# Altium PCB SAMC21_Xplained_Pro.PcbDoc (part 2 of 4)
Units mm, origin at the board's own origin, x right, y up, seen from the top; angles counter-clockwise.
Board outline 60 x 100 mm, 4 copper layers (Top Layer LF-signals, GND, POWER, Bottom Layer LF-signals), stack 1.604 mm thick; 218 components, 156 nets, 975 pads, 347 vias.
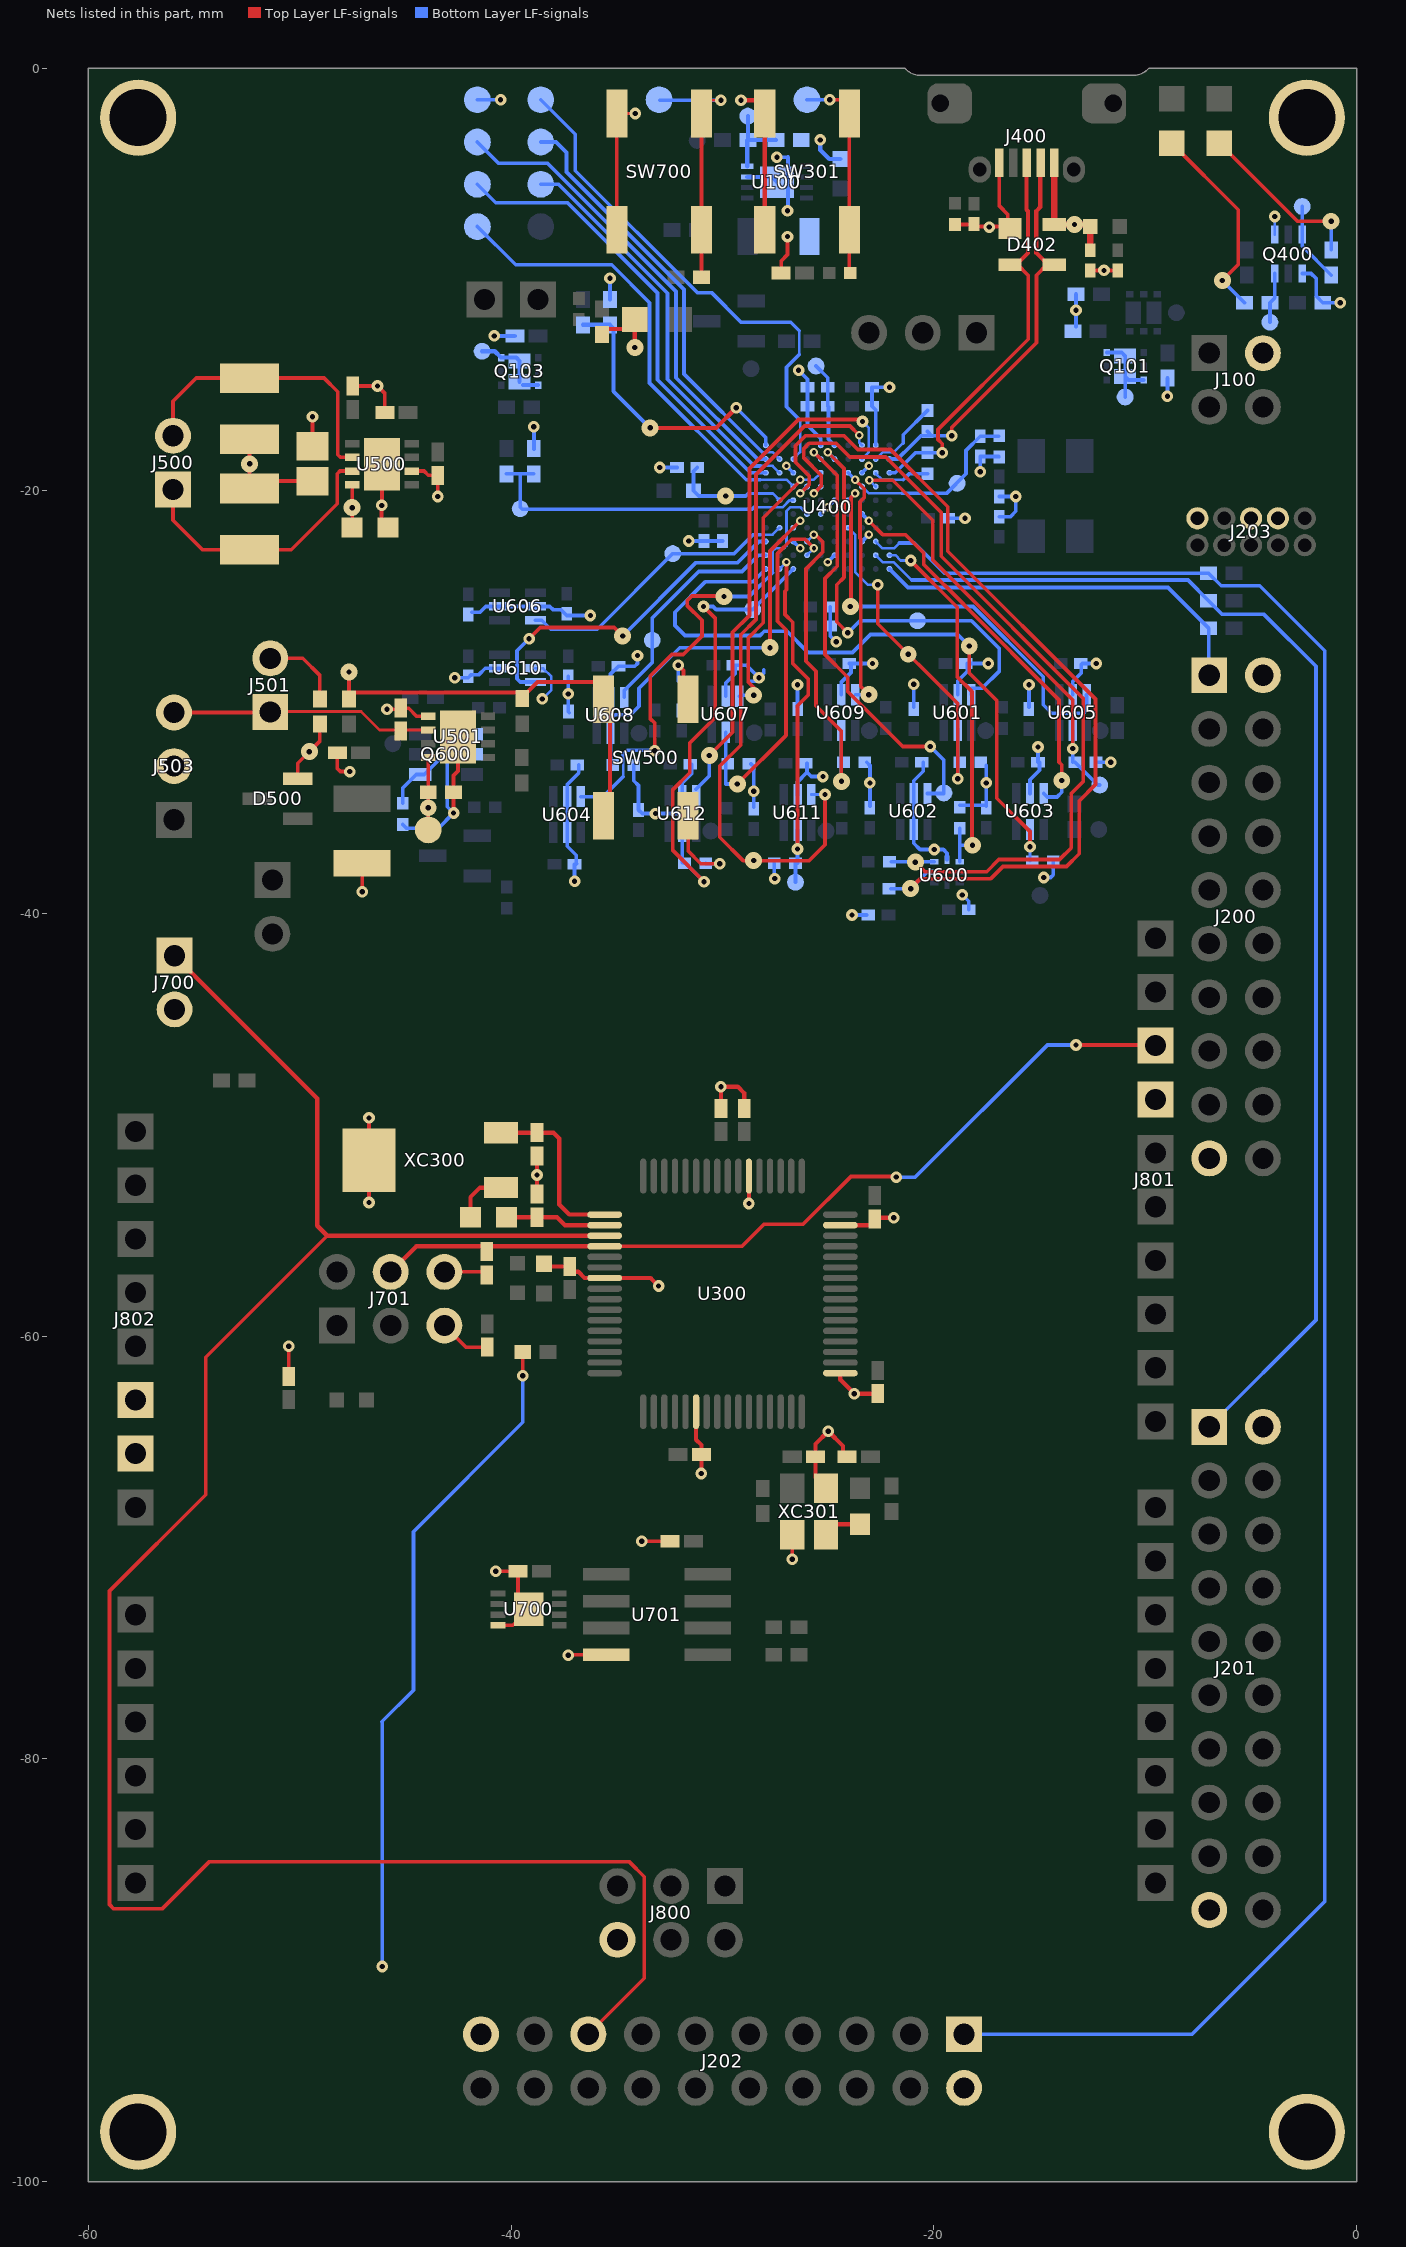
[diagram p4: the nets of this part, all layers, seen from the top]

## Part data
C100: library part A01-0324, "SMD tantalum capacitor, ESR = 1.7, 3216-18 (EIA) 1206,"
C101: library part A01-0377, "Ceramic capacitor, SMD 0603, X5R, 10V, 10% (de31036)"
C102 C304 C305 C306 C307 C308 C310 C404 C410 C411 C412 C413 C502 C503 C506 C600 C601 C602 C603 C604 C605 C606 C607 C608 C609 C610 C611 C612 C613 C614 C615 C616 C617 C618 C619 C620 C621 C622 C623 C624 C625 C700 C701 C702 C703 C704: library part A01-0246, "Ceramic capacitor, SMD 0402, X7R, 16V, +/-10%"
C301: library part A01-0046, "Ceramic capacitor, SMD 0402, X7R, 25V, +/-10% (de35287)"
C302 C303: library part A01-0014, "Ceramic capacitor, SMD 0402, NP0, 50V, +/-5%"
C309: library part A01-0491, "Ceramic capacitor, SMD 0603, X5R, 16V, 10UF ± 20% (High Density)"
C318 C319 C400 C401: library part A01-0019, "Ceramic capacitor, SMD 0402, NP0, 50V, +/-5%"
C402: library part A01-0015, "Ceramic capacitor, SMD 0402, NP0, 50V, +/-5%"
C403: library part A01-0046, "Ceramic capacitor, SMD 0402, X7R, 25V, +/-10%"
C405 C409 C414 C415: library part A01-0300, "Ceramic capacitor, SMD 0402, X5R, 6.3V, +/-20%"
C406 C407 C408: library part A01-0321, "Ceramic capacitor, SMD 0402, C0G, 50V, +/-5%"
C500: library part A01-0400, "Ceramic capacitor, SMD 0805, X5R, 25V, ±10 %"
C501: library part A01-0017, "Ceramic capacitor, SMD 0402, NP0, 50V, +/-5%"
C504: library part A01-0586, "Ceramic capacitor, SMD 1210, X7S , 50V, ±10%"
C505: library part A01-0030, "Ceramic capacitor, SMD 0402, X7R, 50V, +/-10%"
CS700: library part QTouchButton
D400: library part A10-0018, "LED, Green, Wave length=575nm, SMD 0805, ±70°"
D401 D700: library part A10-0019, "LED, Yellow, Wave length=591nm, SMD 0805, ±70°"
D402: library part A06-0236, "Double rail-to-rail USB ESD protection diode"
D500: library part A04-0011, "High-speed Double Diode"
E1 E2 E3 E4: library part A08-0053, "2.8mm adhesive feet,diam 8.0mm"
J100: library part A08-1519, "Pin header, 2x2, Right Angle, 2.54mm, THT, Pin In Paste"
J101: library part A08-0764, "1x2 pin header, right angle, 2.54 mm pitch, through-hole"
J102 J503: library part A08-1799, "1x3 pin header, 2.54mm pitch, Pin-in-Paste THM, 1mm hole"
J200 J201 J202: library part A08-1513, "Pin header, 2x10, Right Angle, 2.54mm, THM, Pin In Paste"
J203: library part A08-0385, "2x5 pin header, 1.27mm pitch, THM"
J300 J302 J504: library part A09-0783, "Default closed SMD strap, 0603 size"
J400: library part A08-2112, "Micro USB AB Connector, Standard SMT + DIP"
J500 J501 J502 J700: library part A08-1754, "1x2 pin header, 2.54mm pitch, Pin-in-Paste THM"
J701 J800: library part A08-1654, "2x3 pin header, 2.54mm pitch, Pin-in-Paste THM"
J801: library part A08-2026, "1x10 receptacle pin header, low insertion force, 2.54mm pitch THM, Pin in Paste"
J802 J804: library part A08-2025, "1x8 receptacle pin header, low insertion force, 2.54mm pitch THM, Pin in Paste"
J803: library part A08-2024, "1x6 receptacle pin header, low insertion force, 2.54mm pitch THM"
JS100 JS101 JS500 JS501: library part A08-0543, "Jumper cap for 2.54mm pinheader"
L300 L401 L402 L700: library part A03-0035, "SMD RF inductor 0603. Z=470Ohm (@100MHz), Max R(dc)=0.65Ohm, Max current=1A"
LABEL1: library part A09-0611, "PCBA identification label PP Top White Gloss"
Q100 Q101 Q103: library part A05-0146, "Dual P-Channel MOSFET, -20V, RDS(ON) < 55 mOhm @-3.4A@-4.5V"
Q102 Q601: library part A05-0085, "N-Channel MOSFET. 60V, 0.300A continuous, 1.2A Peak. RDS(ON) = 3.8Ohm@VGS=4.5V, VGS(th)<2.5V"
Q400: library part A05-0051, "Dual N-Channel MOSFET, 60V, 115mA cont,RDS(ON) < 7.5 Ohm @50mA@5V, SOT-363"
Q600: library part A05-0040, "Dual N/P-ch MOSFET, 20V, 2.7A/-1.9A cont, 8A/-8A pulse, RDS(ON)<0.08/0.17Ohm@VGS=4.5V, VGS(th)<1.5/-1.5V, SSOT6"
R100: library part A02-0242, "Thick film resistor, SMD 0402, 1/16W, 1%"
R102: library part A02-0247, "Thick film resistor, SMD 0402, 1/16W, 1%"
R103 R410 R413 R424: library part A02-0284, "Thick film resistor, SMD 0402, 1/16W, 1%"
R104 R105 R106 R107 R300 R506 R600 R603 R604 R605 R606 R608 R613 R615 R616 R617 R622 R623: library part A02-0260, "Thick film resistor, SMD 0402, 1/16W, 1%"
R109 R110 R111 R112: library part A02-0252, "Thick film resistor, SMD 0402, 1/16W, 1%"
R304 R421 R422 R609 R700: library part A02-0178, "Thick film resistor, SMD 0402, 1/16W, 1%"
R305 R306 R504 R601 R602: library part A02-0228, "Thick film resistor, SMD 0402, 1/16W, 1%"
R313 R314 R425 R610 R611 R612: library part A02-0163, "Thick film resistor, SMD 0402, 1/16W, 1%"
R401 R402 R409 R503: library part A02-0212, "Thick film resistor, SMD 0402, 1/16W, 1%"
R411 R412 R607 R614 R618 R619 R620 R621 R702: library part A02-0200, "Thick film resistor, SMD 0402, 1/16W, 1%"
R423: library part A02-0539, "Thick film resistor, SMD 0402, 1/16W, 1%"
R500 R501: library part A02-0760, "Thick film resistor, SMD 1210, 0.5W, 1%"
R502 R701: library part A02-0236, "Thick film resistor, SMD 0402, 1/16W, 1%"
R505: library part A02-0222, "Thick film resistor, SMD 0402, 1/16W, 1%"
R800: library part A02-0163, "RES 0.0 OHM 1/16W 0402 SMD"
SW301 SW500 SW700: library part A08-0790, "6.2x6.2 mm SMD tact switch, same as A08-0091 but less force is needed"
TP300 TP301 TP400 TP401 TP402 TP403 TP404 TP405 TP406 TP407 TP500: library part A08-0004, "Single SMD testpad"
U100: library part A06-0957, "500mA LDO, ADJ, low noise, 8-DFN package"
U300: library part A06-1192, "Atmel 32-bit RISC MCU 64pin"
U400: library part A06-0736, "AVR 32-bit RISC MCU"
U500: library part A06-1172, "5Mbit/s CAN Trasceiver,VCC = 5V, VIO = 2.8-5V, 3x3 mm VDFN8"
U501: library part A06-1194, "LIN Transceiver"
U600: library part A06-0714, "Dual supply, 2-bit, voltage translator, buffer, repeater, isolator for I2C applications"
U601 U602 U603 U604 U605 U606 U607 U608 U609 U610 U611 U612: library part A06-1038, "Single-Bit Dual-Supply Bus Transceiver with Configurable Voltage Translation and 3-State Outputs"
U700: library part A06-1181, "Secure authentication and product validation device, EEPROM, I2C, 2.0 - 5.5V, UDFN8"
U701: library part A06-1182, "Secure authentication and product validation device, EEPROM, I2C, 2.0 - 5.5V, SOIC8"
XC300: library part A07-0052, "32k768 crystal, +-20ppm, CL=7pF, max ESR 60kOhm, SMD"
XC301: library part A07-0078, "16MHz uXtal, 3.2 x 2.5 mm SMD, CL=9pF, 15PPM, ESR=80ohm(Max."
XC400: library part A07-0042, "Fox FQ5032B 12.0MHz SMD crystal 738B-12"

## Free pads (board coordinates)
  round 0.8 smd far side paste-1: 3(-45.6,-31.975) 3(-41.375,-13.4) 3(-39.575,-20.85) 3(-33.95,-31.475) 3(-33.325,-27.075) 3(-32.35,-22.975) 3(-31.2,-3.425) 3(-30.55,-36.1) 3(-28.8,-2.275) 3(-28.65,-14.225) 3(-28.573,-25.623) 3(-28.5,-31.45) 3(-26.55,-38.525) 3(-25.575,-14.1) 3(-25.1,-36.1) 3(-23.05,-31.35) 3(-20.775,-26.15) 3(-19.525,-34.3) 3(-18.9,-19.65) 3(-17.55,-31.35) 3(-14.975,-39.15) 3(-12.2,-36.025) 3(-12.15,-33.925) 3(-12.125,-31.35) 3(-10.95,-15.563) 3(-8.525,-11.575) 3(-4.1,-12.025) 3(-2.575,-6.55)
  round 3.6 hole 2.7 paste-2.6: 666(-57.65,-97.65) 666(-57.65,-2.35) 666(-2.35,-97.65) 666(-2.35,-2.35)

## Via types
v1: diameter 0.55, hole 0.25, Top Layer LF-signals to Bottom Layer LF-signals, 245 vias
v2: diameter 0.55/0.8 (per signal layer), hole 0.25, Top Layer LF-signals to Bottom Layer LF-signals, tented top, 43 vias
v3: diameter 0.55, hole 0.25, Top Layer LF-signals to Bottom Layer LF-signals, tented top, 19 vias
v4: diameter 0.55, hole 0.25, Top Layer LF-signals to Bottom Layer LF-signals, tented both sides, 16 vias
v5: diameter 0.4, hole 0.2, Top Layer LF-signals to Bottom Layer LF-signals, tented both sides, 10 vias
v6: diameter 0.4, hole 0.2, Top Layer LF-signals to Bottom Layer LF-signals, tented top, 7 vias
v7: diameter 0.4, hole 0.2, Top Layer LF-signals to Bottom Layer LF-signals, 6 vias
v8: diameter 0.55/0.55 (per signal layer), hole 0.25, Top Layer LF-signals to Bottom Layer LF-signals, 1 vias

## Nets (pads, with @x,y where several pads share a name; then routed paths per layer and width w, separated by ;. In a path a pad name is that pad's centre, name@x,y a point inside that pad or via, vN(x,y) a via of type N, cw(c..) or ccw(c..) an arc to the next point about the centre after c; other vN are vias at no path point)
CANH: J500.1@-56,-19.94 R500.2 U500.7 | length 12.9
  Top Layer LF-signals w0.175: J500.1@-56,-19.94 -56,-21.395 -54.6,-22.795 R500.2@-52.375,-22.795 -50.4,-22.795 -48.225,-20.62 -48.225,-19.195 -48.1,-19.07 U500.7@-47.524,-19.07
CANL: J500.2@-56,-17.4 R501.1 U500.6 | length 13.9
  Top Layer LF-signals w0.175: J500.2@-56,-17.4 -56,-15.77 -54.9,-14.67 R501.1@-52.375,-14.67 -48.85,-14.67 -48.2,-15.32 -48.2,-18.295 -48.075,-18.42 U500.6@-47.524,-18.42
EDBG_ADC0: R111.1 R112.2 U400.K10 | length 13.8
  Top Layer LF-signals w0.2: v2(-33.425,-17.025) -30.3,-17.025 v4(-29.35,-16.075)
  Bottom Layer LF-signals w0.175: v4(-29.35,-16.075) -27.95,-17.475 U400.K10@-27.95,-17.85
  Bottom Layer LF-signals w0.2: R111.1@-36.6,-12.15 R112.2@-35.325,-12.15 -35.154,-12.321 -35.154,-15.296 v2(-33.425,-17.025)
EDBG_ADC1: pad.3@-39.575,-20.85 R109.1 R110.2 U400.H6 | length 16
  Bottom Layer LF-signals w0.125: -28.5,-20.775 -27.147,-20.775 -26.822,-20.45 U400.H6@-26.65,-20.45
  Bottom Layer LF-signals w0.175: R109.1@-40.225,-19.2 R110.2@-38.925,-19.2 ; -39.575,-19.225 -39.575,-20.775 -39.475,-20.875 -28.6,-20.875 -28.5,-20.775
EDBG_CDC_UART_OE: R606.1 U400.D4 U601.5 | length 16.6
  Top Layer LF-signals w0.175: v1(-22.65,-24.45) -22.65,-26.287 -18.875,-30.063 v1(-18.875,-33.625) v1@-18.9,-33.6
  Bottom Layer LF-signals w0.125: U400.D4@-24.05,-21.75 -23.722,-22.079 -23.722,-23.855 -23.126,-24.45 v1(-22.65,-24.45)
  Bottom Layer LF-signals w0.175: v1(-18.875,-33.625) R606.1@-18.875,-32.85 ; R606.1@-18.875,-32.775 U601.5@-18.875,-31.275
  other v2: -21.213,-27.738
EDBG_CDC_UART_RX: pad.3@-20.775,-26.15 U400.E9 U601.3 | length 20.7
  Top Layer LF-signals w0.175: v6(-25.025,-18.175) -24.25,-18.95 -24.25,-24.1 -24.6,-24.45 -24.6,-26.2 v1(-24.075,-26.725)
  Bottom Layer LF-signals w0.175: v6(-25.025,-18.175) U400.E9@-24.7,-18.5 ; v1(-24.075,-26.725) -23.5,-26.15 -18.225,-26.15 -16.9,-27.475 -16.9,-28.525 -17.725,-29.35 -18.225,-29.35 U601.3@-18.225,-29.65
EDBG_CDC_UART_TX: pad.3@-19.525,-34.3 U400.F9 U602.3 | length 21.2
  Top Layer LF-signals w0.175: v6(-25.675,-18.175) -24.575,-19.275 -24.575,-23.575 -25.15,-24.15 -25.15,-27.75 -24.075,-28.825 -24.075,-29.5 -21.475,-32.1 v1(-20.175,-32.1)
  Bottom Layer LF-signals w0.175: v6(-25.675,-18.175) U400.F9@-25.35,-18.5 ; U602.3@-20.3,-34.325 -19.537,-34.325 -19.537,-32.737 v1(-20.175,-32.1)
EDBG_DGI_GPIO0: U400.F8 U607.3 | length 13.2
  Top Layer LF-signals w0.175: v2@-28.525,-29.725 -28.525,-29.312 -28.775,-29.062 -28.775,-26.95 -28.075,-26.25 -28.075,-21.277 v5@-26.299,-19.501
  Bottom Layer LF-signals w0.125: v5(-26.325,-19.475) -25.675,-19.475 U400.F8@-25.35,-19.15
  Bottom Layer LF-signals w0.175: U607.3@-29.2,-29.725 -29.15,-29.675 -28.575,-29.675 v2@-28.525,-29.725
  other v2: -28.525,-29.675
EDBG_DGI_GPIO0_EN: R615.1 U400.G2 U607.5 | length 17.7
  Top Layer LF-signals w0.175: v2(-29.3,-33.875) -27,-31.575 -27,-26.575 -27.4,-26.175 -27.4,-22.975 -26.725,-22.3 -26.1,-22.3 v7(-25.675,-22.725)
  Bottom Layer LF-signals w0.125: U400.G2@-26,-23.05 v7(-25.675,-22.725)
  Bottom Layer LF-signals w0.175: U607.5@-29.85,-31.425 -29.85,-32.925 -29.85,-33.875 v2(-29.3,-33.875)
EDBG_DGI_GPIO1: U400.D8 U609.3 | length 11.7
  Top Layer LF-signals w0.175: v5(-23.725,-19.475) -23.29,-19.91 -23.29,-20.315 -23.498,-20.523 -23.498,-21.9 -23.498,-22.25 -23.452,-22.295 -23.452,-29.273 v2(-23.075,-29.65)
  Bottom Layer LF-signals w0.175: U400.D8@-24.05,-19.15 v5(-23.725,-19.475) ; U609.3@-23.725,-29.65 v2(-23.075,-29.65)
EDBG_DGI_GPIO1_EN: R617.1 U400.G3 U609.5 | length 15.8
  Top Layer LF-signals w0.125: v7(-25.679,-22.079) v7@-25.596,-22.079
  Top Layer LF-signals w0.175: v7@-25.596,-22.079 -25.253,-22.422 -25.253,-22.903 -26.05,-23.7 -26.05,-28.065 -25.575,-28.54 -25.575,-30.175 -24.375,-31.375 v2(-24.375,-33.75)
  Bottom Layer LF-signals w0.125: U400.G3@-26,-22.4 v7(-25.679,-22.079)
  Bottom Layer LF-signals w0.175: v2(-24.375,-33.75) U609.5@-24.375,-31.35
EDBG_DGI_GPIO2: U400.C10 U611.3 | length 33.2
  Top Layer LF-signals w0.175: v1(-25.15,-34.375) -25.15,-36.75 -25.9,-37.5 -29.025,-37.5 -30.125,-36.4 -30.125,-33.025 -29.14,-32.04 -29.14,-26.815 -28.415,-26.09 -28.415,-19.227 -26.123,-16.935 -23.965,-16.935 v6@-23.55,-17.35
  Bottom Layer LF-signals w0.125: U611.3@-25.8,-34.375 v1(-25.15,-34.375) ; v6(-23.525,-17.375) -23.525,-17.725 U400.C10@-23.4,-17.85
  other v2: -28.525,-37.5
EDBG_DGI_GPIO2_EN: pad.3@-26.55,-38.525 R622.1 U400.J1 U611.5 | length 17.2
  Top Layer LF-signals w0.175: v7(-26.975,-23.375) -26.975,-24.68 -27.048,-24.752 -27.048,-25.852 -26.675,-26.225 -26.675,-28.175 -25.95,-28.9 -25.95,-29.675 -26.45,-30.175 v1(-26.45,-36.95)
  Bottom Layer LF-signals w0.125: U400.J1@-27.3,-23.7 v7(-26.975,-23.375)
  Bottom Layer LF-signals w0.175: pad.3@-26.55,-38.525 R622.1@-26.55,-37.625 ; R622.1@-26.45,-37.625 v1(-26.45,-36.95) U611.5@-26.45,-36.075
EDBG_DGI_GPIO3: U400.C9 U612.3 | length 24.5
  Top Layer LF-signals w0.175: v2(-30.625,-32.525) -29.525,-31.425 -29.525,-26.7 -28.725,-25.9 -28.725,-18.95 -26.4,-16.625 -23.475,-16.625 v4(-23.375,-16.725)
  Bottom Layer LF-signals w0.125: U400.C9@-23.4,-18.5 -23.075,-18.175 -23.075,-17.025 v4(-23.375,-16.725)
  Bottom Layer LF-signals w0.175: U612.3@-31.25,-34.125 -30.625,-33.5 v2@-30.625,-32.675
EDBG_DGI_GPIO3_EN: pad.3@-28.573,-25.623 R623.1 U400.H1 U612.5 | length 22.6
  Top Layer LF-signals w0.175: v1(-30.9,-25.475) -30.35,-26.025 -30.35,-30.738 -31.55,-31.938 -31.55,-33.337 -32.348,-34.135 -32.348,-37.027 v1(-30.875,-38.5)
  Bottom Layer LF-signals w0.175: R623.1@-31.9,-37.6 U612.5@-31.9,-36.125 ; R623.1@-31.8,-37.625 -31.75,-37.625 v1(-30.875,-38.5) ; v1(-30.9,-25.475) -30.45,-25.475 -30.302,-25.623 pad.3@-28.573,-25.623 U400.H1@-26.65,-23.7
EDBG_DGI_I2C_OE: R604.2 U400.A2 U600.5 | length 18
  Top Layer LF-signals w0.175: v1(-21.1,-23.3) -18.889,-25.511 -18.889,-28.814 -18.2,-29.504 v2@-18.2,-36.775
  Bottom Layer LF-signals w0.125: U400.A2@-22.1,-23.05 -21.825,-23.05 -21.575,-23.3 v1(-21.1,-23.3)
  Bottom Layer LF-signals w0.175: -18.775,-36.775 v2(-18.175,-36.775) ; R604.2@-18.775,-35.975 -18.775,-37.545 U600.5@-18.77,-37.55
EDBG_DGI_I2C_SCL: R602.1 U400.F7 U600.3 | length 40
  Top Layer LF-signals w0.175: v5(-25.675,-20.125) -25.325,-19.775 -25.325,-19.275 -26.15,-18.45 -26.15,-18 -25.903,-17.753 -24.625,-17.753 -23.978,-18.4 -22.275,-18.4 -19.65,-21.025 -19.65,-23.102 -12.927,-29.825 -12.927,-33.756 -13.498,-34.327 -13.498,-36.898 -14.05,-37.45 -16.925,-37.45 -17.5,-38.025 -20.425,-38.025 v2(-20.875,-37.575)
  Bottom Layer LF-signals w0.175: v5(-25.675,-20.125) U400.F7@-25.35,-19.8 ; R602.1@-22,-37.55 U600.3@-19.98,-37.55
EDBG_DGI_I2C_SDA: R601.1 U400.G7 U600.2@-19.98,-38.05 | length 42.6
  Top Layer LF-signals w0.175: v5(-26.325,-20.125) -25.9,-19.7 -25.9,-19.302 -26.55,-18.652 -26.55,-17.875 -26.075,-17.4 -24.25,-17.4 -23.6,-18.05 -22.05,-18.05 -19.34,-20.76 -19.34,-22.864 -12.35,-29.854 -12.35,-33.9 -13.125,-34.675 -13.125,-37.175 -13.725,-37.775 -16.725,-37.775 -17.303,-38.352 -20.627,-38.352 v2(-21.1,-38.825)
  Bottom Layer LF-signals w0.175: v5(-26.325,-20.125) U400.G7@-26,-19.8 ; R601.1@-22.025,-38.825 v2(-21.1,-38.825) -20.325,-38.05 U600.2@-19.98,-38.05
EDBG_DGI_SPI_MISO: pad.3@-33.325,-27.075 U400.K2 U608.3 | length 10.9
  Bottom Layer LF-signals w0.175: U608.3@-34.65,-29.775 -34.65,-29.45 -33.325,-28.125 -33.325,-26.025 -31.125,-23.825 -29.075,-23.825 -28.3,-23.05 U400.K2@-27.95,-23.05
EDBG_DGI_SPI_MOSI: U400.K3 U610.3 | length 16.5
  Top Layer LF-signals w0.175: v1(-39.152,-27.001) -38.626,-26.475 -35.125,-26.475 v2(-34.725,-26.875)
  Bottom Layer LF-signals w0.175: v1(-39.152,-27.001) -39.725,-27.574 -39.725,-28.9 -39.575,-29.05 U610.3@-38.85,-29.05 ; v2(-34.725,-26.875) -31.25,-23.4 -29.275,-23.4 -28.275,-22.4 U400.K3@-27.95,-22.4
EDBG_DGI_SPI_OE: R616.1 U400.H4 U608.5 | length 18.7
  Top Layer LF-signals w0.175: v2(-27.75,-27.425) -27.75,-22.85 v7@-26.325,-21.425
  Bottom Layer LF-signals w0.125: U400.H4@-26.65,-21.75 v7(-26.325,-21.425)
  Bottom Layer LF-signals w0.175: R616.1@-35.3,-32.975 U608.5@-35.3,-31.475 -35.3,-30.825 -35.075,-30.6 -34.35,-30.6 -33.95,-30.2 -33.95,-29.35 -32.025,-27.425 v2(-27.75,-27.425)
EDBG_DGI_SPI_SCK: pad.3@-32.35,-22.975 U400.J4 U606.3 | length 13.7
  Bottom Layer LF-signals w0.125: -28.2,-22.075 -27.625,-22.075 U400.J4@-27.3,-21.75
  Bottom Layer LF-signals w0.175: U606.3@-38.85,-26.125 -38.55,-26.125 -38.123,-26.552 -35.927,-26.552 pad.3@-32.35,-22.975 -29.45,-22.975 -28.55,-22.075 -28.2,-22.075
EDBG_DGI_SPI_SS: U400.G5 U604.3 | length 23.1
  Top Layer LF-signals w0.175: v1(-33.2,-32.3) -33.2,-31 -33.425,-30.775 -33.425,-28.775 -32.402,-27.752 -31.852,-27.752 -30.975,-26.875 -30.975,-26.125 -31.675,-25.425 -31.675,-25.202 -31.45,-24.977 -29.948,-24.977 v2(-29.925,-25)
  Bottom Layer LF-signals w0.125: -34.7,-33.525 -34.7,-32.47 ; -27.625,-23.875 -27.625,-22.85 -27.5,-22.725 -27.1,-22.725 -26.975,-22.6 -26.975,-21.575 ; -26.972,-21.575 -26.972,-20.967 -26.783,-20.779 -26.322,-20.779 U400.G5@-26,-21.1
  Bottom Layer LF-signals w0.175: U604.3@-36.7,-34.475 -35.65,-34.475 -34.705,-33.53 ; -34.705,-32.475 -34.505,-32.275 -33.225,-32.275 v1(-33.2,-32.3) ; v2(-29.925,-25) -28.75,-25 -27.625,-23.875
EDBG_FORCE_BOOT: TP401.1 U400.H9 | length 24.5
  Bottom Layer LF-signals w0.125: U400.H9@-26.65,-18.5 -26.325,-18.175 -26.325,-16.675 ; -26.373,-13.552 -26.373,-12.427
  Bottom Layer LF-signals w0.175: TP401.1@-38.6,-1.5 -36.968,-3.132 -36.968,-4.857 -31.2,-10.625 -30.525,-10.625 -29.125,-12.025 -26.775,-12.025 -26.373,-12.427 ; -26.373,-13.552 -26.976,-14.156 -26.976,-16.024 -26.325,-16.675
EDBG_JTAG_TCK: TP402.1 U400.K9 | length 22.3
  Bottom Layer LF-signals w0.175: TP402.1@-41.6,-3.5 -40.6,-4.5 -38.275,-4.5 -32.2,-10.575 -32.2,-14.65 -28.35,-18.5 U400.K9@-27.95,-18.5
EDBG_JTAG_TDI: TP403.1 U400.K8 | length 21.7
  Bottom Layer LF-signals w0.175: TP403.1@-41.6,-5.5 -40.725,-6.375 -37.339,-6.375 -33.075,-10.639 -33.075,-14.75 -28.675,-19.15 U400.K8@-27.95,-19.15
EDBG_JTAG_TDO: TP404.1 U400.J8 | length 19.3
  Bottom Layer LF-signals w0.125: -28.2,-18.825 -27.625,-18.825 U400.J8@-27.3,-19.15
  Bottom Layer LF-signals w0.175: TP404.1@-38.6,-5.5 -37.754,-5.5 -32.6,-10.654 -32.6,-14.725 -28.5,-18.825 -28.2,-18.825
EDBG_JTAG_TMS: TP405.1 U400.H7 | length 22.3
  Bottom Layer LF-signals w0.125: -28.225,-19.475 -26.975,-19.475 U400.H7@-26.65,-19.8
  Bottom Layer LF-signals w0.175: TP405.1@-41.6,-7.5 -39.787,-9.313 -35.238,-9.313 -33.45,-11.1 -33.45,-14.9 -28.875,-19.475 -28.225,-19.475
EDBG_RESET_N: TP406.1 U400.J9 | length 20.4
  Bottom Layer LF-signals w0.125: -28.125,-18.175 -27.625,-18.175 U400.J9@-27.3,-18.5
  Bottom Layer LF-signals w0.175: TP406.1@-38.6,-3.5 -37.875,-3.5 -37.379,-3.996 -37.379,-4.921 -31.825,-10.475 -31.825,-14.475 -28.125,-18.175
EDBG_SWCLK: U400.D6 U605.3 | length 20.8
  Top Layer LF-signals w0.175: v2@-24.05,-25.475 -23.925,-25.35 -23.925,-20.325 v5@-23.713,-20.112
  Bottom Layer LF-signals w0.175: U400.D6@-24.05,-20.45 v5@-23.713,-20.112 ; v2(-23.95,-25.475) -18.15,-25.475 -14.825,-28.8 -14.825,-30.125 -14.425,-30.525 -12.925,-30.525 -12.775,-30.375 U605.3@-12.775,-29.65
  other v5: -23.726,-20.126
EDBG_SWD_SWCLK_OE: pad.3@-12.15,-33.925 R613.1 U400.B7 U605.5 | length 20.9
  Top Layer LF-signals w0.175: v7(-23.05,-19.5) -21.95,-19.5 -20.05,-21.4 -20.05,-23.275 -13.425,-29.9 v1(-13.425,-32.2)
  Bottom Layer LF-signals w0.125: v7(-23.05,-19.5) U400.B7@-22.75,-19.8
  Bottom Layer LF-signals w0.175: R613.1@-13.425,-32.85 v1(-13.425,-32.2) U605.5@-13.425,-31.35 ; R613.1@-13.325,-32.85 -12.25,-33.925 pad.3@-12.15,-33.925
EDBG_SWD_SWDIO_OE: R608.1 U400.K1 U603.5 | length 33.2
  Top Layer LF-signals w0.175: v2(-18.325,-27.35) -18.325,-28.625 -17.027,-29.923 -17.027,-34.548 -15.45,-36.125 v1(-15.45,-36.85)
  Bottom Layer LF-signals w0.15: R608.1@-15.45,-37.525 v1(-15.45,-36.85) U603.5@-15.45,-36.025
  Bottom Layer LF-signals w0.175: U400.K1@-27.95,-23.7 -28.55,-24.3 -30.8,-24.3 -32.25,-25.75 -32.25,-26.375 -31.775,-26.85 -28.225,-26.85 -28.025,-26.65 -26.95,-26.65 -25.95,-27.65 -23.85,-27.65 -23,-26.8 -18.875,-26.8 v2(-18.325,-27.35)
EDBG_SWDIO: U400.C5 U603.3 | length 18.7
  Top Layer LF-signals w0.175: v5(-23.075,-21.425) -22.425,-22.075 -21.35,-22.075 -20.475,-22.95 -20.475,-23.487 -18.579,-25.382 -18.579,-25.392 -14.075,-29.896 -14.075,-32.837 -13.95,-32.962 v2(-13.95,-33.713)
  Bottom Layer LF-signals w0.175: U400.C5@-23.4,-21.1 v5(-23.075,-21.425) ; U603.3@-14.8,-34.325 -14.638,-34.488 -14.175,-34.488 -13.95,-34.262 v2(-13.95,-33.713)
EDBG_USB_FS_N: R421.2 U400.B9 | length 3.6
  Bottom Layer LF-signals w0.125: U400.B9@-22.751,-18.524 -22.402,-18.175 -21.875,-18.175 -21.45,-17.75
  Bottom Layer LF-signals w0.18: -21.45,-17.75 -21.45,-17.35 R421.2@-20.3,-16.2
EDBG_USB_FS_P: R422.2 U400.B8 | length 2.7
  Bottom Layer LF-signals w0.125: U400.B8@-22.751,-19.174 -22.448,-19.476 -21.451,-19.476
  Bottom Layer LF-signals w0.18: -21.451,-19.476 -21.175,-19.2 R422.2@-20.3,-19.2
EDBG_USB_HS_N: D402.3 J400.2 R421.1 U400.A9 | length 19.3
  Top Layer LF-signals w0.18: v3(-19.15,-17.4) -19.15,-17 -15.15,-13 -15.15,-9.8 -14.65,-9.3 D402.3@-14.3,-9.3
  Top Layer LF-signals w0.2: J400.2@-14.95,-4.475 -14.964,-4.489 -14.964,-6.575 -15.15,-6.761 -15.15,-8.75 D402.3@-14.5,-9.4
  Bottom Layer LF-signals w0.18: U400.A9@-22.1,-18.5 -21.712,-18.5 -21.032,-17.82 -21.03,-17.82 -20.61,-17.4 R421.1@-20.1,-17.4 ; R421.1@-20.3,-17.2 R421.1@-20.1,-17.4 ; v3(-19.15,-17.4) R421.1@-20.1,-17.4
EDBG_USB_HS_P: D402.2 J400.3 R422.1 U400.A8 | length 19.3
  Top Layer LF-signals w0.18: v3(-19.6,-18.2) -19.6,-17.775 -19.8,-17.575 -19.8,-17.1 -15.53,-12.83 -15.53,-9.82 -16.05,-9.3 D402.2@-16.4,-9.3
  Top Layer LF-signals w0.2: D402.2@-16.05,-9.25 -15.55,-8.75 -15.55,-6.764 -15.614,-6.7 -15.614,-4.489 J400.3@-15.6,-4.475
  Bottom Layer LF-signals w0.18: U400.A8@-22.1,-19.15 -21.825,-19.15 -20.875,-18.2 R422.1@-20.3,-18.2 v3(-19.6,-18.2) v3@-19.7,-18.2
GND: C100.2 C101.2 C102.2 C301.2 C302.2 C303.2 C304.2 C305.2 C306.2 C307.2 C308.2 C309.2 C310.2 C318.2 C319.2 C400.2 C401.2 C402.2 C403.1 C404.2 C405.2 C406.2 C407.2 C408.2 C409.2 C410.2 C411.2 C412.2 C413.2 C414.2 C415.2 C500.2 C501.2 C502.2 C503.2 C504.2 C505.2 C506.2 C600.2 C601.1 C602.2 C603.1 C604.2 C605.1 C606.2 C607.1 C608.2 C609.1 C610.2 C611.1 C612.2 C613.1 C614.2 C615.1 C616.2 C617.1 C618.2 C619.1 C620.2 C621.1 C622.2 C623.1 C624.2 C625.1 C700.2 C701.2 C702.2 C703.2 C704.2 D402.1 J100.2@-4.43,-13.49 J200.2@-4.43,-28.73 J200.19@-6.97,-51.59 J201.2@-4.43,-64.29 J201.19@-6.97,-87.15 J202.2@-18.57,-95.57 J202.19@-41.43,-93.03 J203.3@-3.72,-21.305 J203.5@-4.99,-21.305 J203.9@-7.53,-21.305 J400.5 J503.2@-55.95,-33.03 J504.2 J700.2@-55.925,-44.54 J701.5@-43.16,-59.5 J701.6@-43.16,-56.96 J800.6@-34.969,-88.56 J801.7@-9.518,-48.796 J802.6@-57.778,-63.02 J802.7@-57.778,-65.56 pad.666 Q400.1 Q400.4 Q600.5 R100.2 R103.1 R106.1 R107.1 R110.1 R112.1 R413.1 R423.1 R424.1 R506.1 R600.1 R604.1 R606.2 R608.2 R613.2 R615.2 R616.2 R617.2 R622.2 R623.2 SW301.1 SW301.2 SW500.1 SW500.2 SW700.1 SW700.2 TP400.1 U100.7 U100.9 U300.7 U300.22 U300.33 U300.47 U300.54 U400.B10 U400.C3 U400.C8 U400.E2 U400.E6 U400.F5 U400.F10 U400.H3 U400.H8 U500.2 U500.9 U501.5 U501.9 U600.4 U601.2 U602.2 U602.5 U603.2 U604.2 U604.5 U605.2 U606.2 U606.5 U607.2 U608.2 U609.2 U610.2 U610.5 U611.2 U612.2 U700.4 U700.9 U701.4 XC300.3 XC301.2 XC301.4 | length 199.2
  Top Layer LF-signals w0.125: SW700.2@-35,-2.15 v1(-34.125,-2.15) ; R424.1@-19.025,-7.5 R424.1@-19,-7.5 ; v1@-17.401,-7.494 v1@-17.238,-7.475
  Top Layer LF-signals w0.175: C700.2@-50.525,-61.9 v1(-50.525,-60.475) ; C500.2@-49.4,-17.895 v1(-49.4,-16.495) ; C506.2@-48.225,-32.4 -48.225,-33.137 -48.075,-33.288 v1(-47.637,-33.288) ; C503.2@-47.5,-15.045 v1(-46.325,-15.045) -45.975,-15.395 C501.2@-45.975,-16.295 ; v1(-47.05,-38.97) C504.2@-47.05,-37.62 ; v1(-46.725,-53.675) XC300.3@-46.725,-51.675 v4(-46.725,-49.675) ; U500.9@-45.975,-18.608 U500.9@-46.112,-18.745 -46.112,-20.682 v1(-46.125,-20.695) -46.133,-20.703 -46.133,-21.372 -45.825,-21.68 J504.2@-45.825,-21.745 ; v1(-45.875,-30.345) -45.275,-30.345 -45.225,-30.295 -44.85,-30.295 -44.475,-30.67 U501.5@-43.925,-30.67 ; U500.2@-44.7,-19.07 -44.125,-19.07 -43.925,-19.27 C502.2@-43.475,-19.27 v1(-43.475,-20.27) ; J701.5@-43.16,-59.5 -42.135,-60.525 C703.2@-41.125,-60.525 ; J701.6@-43.16,-56.96 -41.415,-56.96 C704.2@-41.275,-57.1 ; v1@-42.725,-35.075 R506.1@-42.725,-34.27 -42.725,-33.47 -42.512,-33.257 U501.9@-42.512,-31.645 ; v1(-40.725,-71.125) C701.2@-39.675,-71.125 -39.675,-72.425 U700.9@-39.175,-72.925 -39.925,-73.675 U700.4@-40.625,-73.675 ; v1(-37.3,-75.1) -37.28,-75.08 U701.4@-35.5,-75.08 ; SW700.1@-35,-7.65 SW700.2@-35,-2.15 ; v1(-33.825,-69.7) C702.2@-32.475,-69.7 ; v1(-32.1,-28.25) -31.85,-28.5 SW500.1@-31.85,-29.65 ; SW500.2@-31.625,-35.375 -31.625,-37.05 -31.025,-37.65 v1(-30.125,-37.65) ; C301.2@-27.225,-9.7 -27.225,-9.125 -26.925,-8.825 v4(-26.925,-7.975) ; v1(-26.7,-70.55) XC301.2@-26.7,-69.4 ; R424.1@-19,-7.4 -18.125,-7.4 C403.1@-18.1,-7.375 -17.975,-7.5 D402.1@-16.5,-7.5 ; J400.5@-16.9,-5.15 -16.9,-6.525 -16.5,-6.925 D402.1@-16.5,-7.5 ; D402.1@-16.4,-7.6 D402.1@-16.5,-7.5 ; C407.2@-12.6,-9.575 C408.2@-11.3,-9.575
  Top Layer LF-signals w0.2: C303.2@-38.775,-53.275 C302.2@-38.775,-51.475 ; C309.2@-38.45,-56.577 -38.327,-56.7 C310.2@-37.225,-56.7 -36.975,-56.95 -36.825,-56.95 -36.525,-57.25 U300.7@-35.575,-57.25 -33.4,-57.25 v1(-33.025,-57.625) ; U300.22@-31.25,-63.575 -31.25,-64.9 -31,-65.15 C306.2@-31,-65.5 ; v1(-31,-66.5) C306.2@-31,-65.6 ; C307.2@-30.075,-49.225 v1(-30.075,-48.2) -29.275,-48.2 -28.975,-48.5 C308.2@-28.975,-49.225 ; v4(-29.125,-1.525) -28.15,-1.525 -28,-1.675 SW301.2@-28,-2.15 SW301.1@-28,-7.65 ; v1(-28.75,-53.725) U300.54@-28.75,-52.425 ; XC301.4@-25.1,-67.2 -25.6,-66.7 C318.2@-25.6,-65.7 -25.6,-65.1 v1(-25,-64.5) -24.3,-65.2 -24.3,-65.5 C319.2@-24.1,-65.7 ; U300.33@-24.425,-61.75 -24.425,-62.062 v1(-23.762,-62.725) C305.2@-22.65,-62.725 ; U300.47@-24.425,-54.75 -22.95,-54.75 C304.2@-22.7,-54.5 ; C304.2@-22.7,-54.4 v1(-21.9,-54.4)
  Bottom Layer LF-signals w0.125: U610.2@-38.85,-28.4 -38.487,-28.4 -38.1,-28.788 -38.1,-29.425 v1(-38.525,-29.85) ; R423.1@-16.925,-18.4 R423.1@-16.9,-18.4 ; Q400.1@-3.875,-7.875 v3@-3.875,-7.1
  Bottom Layer LF-signals w0.175: R600.1@-45.125,-35.787 -44.937,-35.975 -43.45,-35.975 v1(-42.725,-35.25) -43.025,-34.95 -43.025,-32.862 -42.638,-32.475 Q600.5@-41.85,-32.475 ; v1(-42.675,-28.85) -42.025,-28.85 -41.875,-28.7 -41.525,-28.7 -41.225,-28.4 U610.5@-40.55,-28.4 ; C613.1@-41.85,-25.75 -41.475,-25.75 -41.2,-25.475 U606.5@-40.55,-25.475 U606.2@-38.85,-25.475 -38.175,-25.475 -38.025,-25.625 -37.65,-25.625 -37.375,-25.9 v1(-36.25,-25.9) ; TP400.1@-41.6,-1.5 v3(-40.5,-1.5) ; C620.2@-37.3,-28.775 -37.3,-30.45 C617.1@-37.25,-30.5 ; v1(-37,-38.475) C609.1@-37,-37.675 ; C609.1@-36.9,-37.65 -36.925,-37.675 -36.925,-37.25 -37.35,-36.825 U604.5@-37.35,-36.175 U604.2@-37.35,-34.475 -37.35,-33.9 -36.8,-33.35 C608.2@-36.8,-32.975 ; U608.2@-35.3,-29.775 -35.3,-28.675 C616.2@-34.925,-28.3 -34.15,-28.3 -34.025,-28.175 v1(-34.025,-27.8) ; R616.2@-34.2,-32.975 -34.2,-33.725 -33.975,-33.95 C625.1@-33.975,-35.1 -33.8,-35.275 -32.075,-35.275 -31.9,-35.1 U612.2@-31.9,-34.425 -31.9,-33.825 -31.45,-33.375 C624.2@-31.45,-32.95 ; v1(-32.975,-18.9) C404.2@-32.15,-18.9 ; v1(-32.1,-28.25) -32.1,-28.975 -31.925,-29.15 C615.1@-31.925,-30.325 ; v1(-31.6,-22.375) C414.2@-30.875,-22.375 C413.2@-30,-22.375 ; R623.2@-30.8,-37.625 -30.775,-37.65 v1(-30.125,-37.65) ; U607.2@-29.85,-29.725 -29.85,-29.1 -29.4,-28.65 -29.4,-28.25 -28.875,-28.25 v1(-28.275,-28.85) ; -28.687,-29.012 -28.437,-29.012 v1(-28.275,-28.85) ; R615.2@-28.65,-32.925 -28.525,-33.05 C623.1@-28.525,-34.975 ; -28.05,-28.475 -28.05,-28.625 v1(-28.275,-28.85) ; R622.2@-27.55,-37.625 -27.55,-38.325 v1(-27.525,-38.35) ; v4(-27.425,-4.225) -26.9,-4.225 ; v6(-26.975,-18.825) U400.H8@-26.65,-19.15 ; U400.H3@-26.65,-22.4 v5(-26.325,-22.725) ; U611.2@-26.45,-34.375 -26.45,-33.775 -26,-33.325 ; C619.1@-26.45,-30.25 v1(-26.45,-29.175) ; v4(-26.4,-14.3) -25.975,-14.725 C405.2@-25.975,-15.1 C406.2@-25.975,-16 -25.975,-16.9 -25.35,-17.525 U400.F10@-25.35,-17.85 ; C622.2@-26,-32.9 -26,-33.325 ; U400.F5@-25.35,-21.1 v6(-25.025,-20.775) U400.E6@-24.7,-20.45 ; v1(-25.25,-33.525) -25.8,-33.525 -26,-33.325 ; v6(-25.025,-23.375) U400.E2@-24.7,-23.05 ; C412.2@-24.9,-25.5 C415.2@-24.9,-26.4 -24.9,-26.875 v4(-24.625,-27.15) ; U609.2@-24.375,-29.65 -24.375,-29.05 -23.925,-28.6 C618.2@-23.925,-28.175 ; C618.2@-24,-28.175 C618.2@-23.925,-28.175 ; v1(-23.875,-40.075) C600.2@-23.175,-40.075 ; U400.C3@-23.4,-22.4 v5(-23.075,-22.075) ; U400.C8@-23.4,-19.15 v6(-23.075,-18.825) ; R617.2@-23.175,-32.85 -23.025,-33 C605.1@-23.025,-34.925 ; v1(-22.9,-28.175) C618.2@-23.925,-28.175 ; U400.B10@-22.75,-17.85 -22.75,-16.175 C410.2@-22.925,-16 C409.2@-22.925,-15.1 v4(-22.1,-15.1) ; C603.1@-20.95,-30.25 v1(-20.95,-29.15) ; C604.2@-20.5,-32.85 -20.5,-33.275 -20.95,-33.725 U602.2@-20.95,-34.325 U602.5@-20.95,-36.025 -20.95,-36.675 -20.65,-36.975 v1(-19.975,-36.975) -19.55,-36.975 -19.375,-37.15 U600.4@-19.375,-37.45 ; C411.2@-19.325,-21.3 v3(-18.525,-21.3) ; U601.2@-18.875,-29.65 -18.875,-29 -18.425,-28.55 -18.425,-28.175 v1(-17.425,-28.175) ; R604.1@-18.775,-34.875 -17.575,-34.875 -17.525,-34.925 v1(-17.525,-33.825) R606.2@-17.525,-33 ; v1(-18.662,-39.123) -18.652,-39.123 -18.35,-39.425 C601.1@-18.35,-39.825 ; v3(-17.8,-19.1) C402.2@-17.8,-18.375 R423.1@-16.925,-18.375 ; C400.2@-16.9,-21.225 -16.375,-21.225 -16.125,-20.975 v3(-16.125,-20.275) C401.2@-16.9,-20.275 ; C611.1@-15.5,-30.25 v1(-15.5,-29.175) ; U603.2@-15.45,-34.325 -15.45,-33.675 -15,-33.225 C606.2@-15,-32.85 ; C606.2@-15.075,-32.85 v1(-15.075,-32.125) ; v1(-14.8,-38.3) -14.475,-38.3 -14.35,-38.175 R608.2@-14.35,-37.525 ; U605.2@-13.425,-29.65 -13.425,-29.025 -13.025,-28.625 -13.025,-28.225 -12.975,-28.175 v1(-12.313,-28.175) ; R613.2@-12.225,-32.85 v1(-11.625,-32.85) ; Q400.4@-2.575,-9.725 -2.15,-9.725 -1.9,-9.975 -1.9,-10.8 R413.1@-1.6,-11.1 v3(-0.775,-11.1)
  Bottom Layer LF-signals w0.2: v1(-40.8,-12.675) C102.2@-39.825,-12.675 ; R110.1@-38.925,-18.025 v1(-38.925,-16.975) ; R112.1@-35.325,-10.95 v4(-35.325,-9.95) ; U100.7@-28.825,-5.15 -27.675,-5.15 U100.9@-27.425,-5.4 ; v4@-26.9,-6.725 -26.9,-4.225 ; v4(-25.375,-3.4) -25.375,-3.875 -24.948,-4.302 C101.2@-24.425,-4.302 ; R107.1@-13.275,-12.225 R103.1@-13.275,-10.7 ; v1(-8.95,-15.525) R106.1@-8.95,-14.675
  other v1: -38.775,-52.375 -33.175,-35.275 -28.525,-34.225 -23.025,-33.825 -37.3,-29.612 -13.275,-11.462 -11.95,-9.575 -17.375,-7.525
  other v3: -3.875,-7.025
  other v4: -26.925,-6.75
ID1: J200.1@-6.97,-28.73 R409.1 U400.A1 | length 18.5
  Bottom Layer LF-signals w0.175: U400.A1@-22.1,-23.7 -21.225,-24.575 -8.925,-24.575 R409.1@-7,-26.5 -7,-28.7 J200.1@-6.97,-28.73
ID2: J201.1@-6.97,-64.29 R402.1 U400.B2 | length 61.1
  Bottom Layer LF-signals w0.125: U400.B2@-22.75,-23.05 -22.425,-23.375 -21.9,-23.375 -21.05,-24.225 ; J201.1@-6.978,-64.29 J201.1@-6.974,-64.286
  Bottom Layer LF-signals w0.175: -21.05,-24.225 -7.975,-24.225 R402.1@-7,-25.2 -6.35,-25.85 -4.375,-25.85 -1.918,-28.307 -1.918,-59.238 J201.1@-6.97,-64.29
ID3: J202.1@-18.57,-93.03 R401.1 U400.B3 | length 102.4
  Bottom Layer LF-signals w0.125: U400.B3@-22.75,-22.4 -22.425,-22.725 -21.875,-22.725 -21.625,-22.475
  Bottom Layer LF-signals w0.175: -21.625,-22.475 -20.925,-22.475 -19.5,-23.9 R401.1@-7,-23.9 -6.4,-24.5 -4.575,-24.5 -1.5,-27.575 -1.5,-86.75 -7.78,-93.03 J202.1@-18.57,-93.03
LIN: C505.1 J501.1@-51.4,-30.47 J503.3@-55.95,-30.49 U501.6 | length 12.4
  Top Layer LF-signals w0.125: J501.1@-51.4,-30.47 -51.375,-30.445 -47.1,-30.445 -46.225,-31.32 U501.6@-43.925,-31.32
  Top Layer LF-signals w0.175: J503.3@-55.95,-30.49 -51.42,-30.49 J501.1@-51.4,-30.47
NetC402_1: C402.1 pad.3@-18.9,-19.65 R423.2 U400.C7 | length 8.4
  Bottom Layer LF-signals w0.125: U400.C7@-23.4,-19.8 -23.075,-20.125 -21.525,-20.125
  Bottom Layer LF-signals w0.175: -21.525,-20.125 -19.4,-20.125 -18.475,-19.2 -18.475,-18.1 C402.1@-17.8,-17.425 R423.2@-16.925,-17.425
NetC404_1: C404.1 L402.2 U400.J6 | length 5.5
  Bottom Layer LF-signals w0.125: -28.778,-20.128 -27.622,-20.128 U400.J6@-27.3,-20.45
  Bottom Layer LF-signals w0.175: C404.1@-31.2,-18.9 -31.375,-19.075 L402.2@-31.375,-20 -31.125,-20.25 v2(-29.85,-20.25) -28.9,-20.25 -28.778,-20.128
NetC405_1: C405.1 C406.1 pad.3@-25.575,-14.1 U400.E10 | length 4.1
  Bottom Layer LF-signals w0.175: pad.3@-25.575,-14.1 -25.025,-14.65 C405.1@-25.025,-15.1 C406.1@-25.025,-16 -24.987,-16.038 -24.987,-17.563 U400.E10@-24.7,-17.85
NetC407_1: C407.1 D402.4 J400.1 L401.1 | length 5.1
  Top Layer LF-signals w0.2: C407.1@-12.7,-8.725 C407.1@-12.7,-8.625
  Top Layer LF-signals w0.3: J400.1@-14.3,-5.15 D402.4@-14.3,-7.4 v2(-13.35,-7.4) L401.1@-12.7,-7.4 ; C407.1@-12.6,-8.625 L401.1@-12.6,-7.5
NetC500_1: C500.1 R500.1 R501.2 | length 5.4
  Top Layer LF-signals w0.2: R501.2@-52.375,-17.57 R500.1@-52.375,-19.895 -52.025,-19.545 C500.1@-49.4,-19.545
  other v2: -52.375,-18.725
NetCS700_1: R701.1 | length 31.8
  Top Layer LF-signals w0.175: v1(-39.45,-61.875) R701.1@-39.45,-60.75
  Bottom Layer LF-signals w0.175: -46.125,-78.25 -44.625,-76.75 -44.625,-69.25 -39.45,-64.075 v1(-39.45,-61.875) ; v8(-46.1,-89.825) -46.1,-78.275
NetD400_1: D400.1 R411.2 | length 9.6
  Top Layer LF-signals w0.175: D400.1@-8.75,-3.55 -5.6,-6.7 -5.6,-9.3 v2(-6.35,-10.05)
  Bottom Layer LF-signals w0.175: v2(-6.35,-10.05) R411.2@-5.3,-11.1
NetD401_1: D401.1 R412.2 | length 8.2
  Top Layer LF-signals w0.175: D401.1@-6.5,-3.55 -2.8,-7.25 v2(-1.2,-7.25)
  Bottom Layer LF-signals w0.175: R412.2@-1.2,-8.6 v2(-1.2,-7.25)
NetD500_2: D500.2 R503.2 | length 3
  Top Layer LF-signals w0.175: D500.2@-50.1,-33.62 -50.1,-32.895 -49.05,-31.845 R503.2@-49.05,-31.045
  other v2: -49.55,-32.345
NetD700_2: D700.2 R702.1 | length 2.2
  Top Layer LF-signals w0.2: R702.1@-35.475,-12.35 D700.2@-34.5,-12.35 ; v2(-34.15,-13.225) D700.2@-34.15,-12
NetJ300_1: J300.1 XC301.3 | length 1.8
  Top Layer LF-signals w0.2: XC301.3@-25.1,-69.4 -24.6,-68.9 J300.1@-23.5,-68.9
NetJ302_1: J302.1 XC300.1 | length 2.6
  Top Layer LF-signals w0.2: J302.1@-41.925,-54.375 -41.925,-53.425 -41.475,-52.975 XC300.1@-40.475,-52.975
NetJ501_2: J501.2@-51.4,-27.93 R503.1 | length 3.8
  Top Layer LF-signals w0.175: J501.2@-51.4,-27.93 -49.865,-27.93 -49.05,-28.745 R503.1@-49.05,-29.845
NetJ504_1: J504.1 U500.8 | length 2
  Top Layer LF-signals w0.175: J504.1@-47.525,-21.745 U500.8@-47.524,-19.72
  other v2: -47.525,-20.8
NetQ101_3: pad.3@-10.95,-15.563 Q101.3 Q101.6 Q101.7 Q101.8 | length 3.8
  Bottom Layer LF-signals w0.175: Q101.6@-11.825,-13.46 -11.11,-13.46 Q101.7@-10.95,-13.62 Q101.8@-10.95,-14.6 ; pad.3@-10.95,-15.563 Q101.8@-10.95,-14.6 ; Q101.3@-10.075,-14.76 -10.79,-14.76 Q101.8@-10.95,-14.6
NetQ103_3: pad.3@-41.375,-13.4 Q103.3 Q103.6 Q103.7 Q103.8 | length 3.7
  Bottom Layer LF-signals w0.2: pad.3@-41.375,-13.4 -40.775,-13.4 Q103.3@-40.475,-13.7 -39.76,-13.7 Q103.8@-39.6,-13.86 Q103.7@-39.6,-14.84 ; Q103.7@-39.44,-15 Q103.6@-38.725,-15
NetQ400_3: pad.3@-2.575,-6.55 Q400.3 R412.1 | length 3.8
  Bottom Layer LF-signals w0.175: pad.3@-2.575,-6.55 Q400.3@-2.575,-7.875 -2.575,-8.425 R412.1@-1.2,-9.8
NetQ400_6: pad.3@-4.1,-12.025 Q400.6 R411.1 | length 2.4
  Bottom Layer LF-signals w0.175: pad.3@-4.1,-12.025 R411.1@-4.1,-11.1 -3.875,-10.875 Q400.6@-3.875,-9.725
NetQ600_1: Q600.1 Q600.4 R600.2 | length 5.1
  Bottom Layer LF-signals w0.175: R600.2@-45.125,-34.787 -45.125,-34.062 -44.488,-33.425 Q600.1@-44.3,-33.425 -44.11,-33.425 -42.21,-31.525 Q600.4@-41.85,-31.525
NetR100_1: pad.3@-28.8,-2.275 R100.1 R102.2 U100.8 | length 3.8
  Bottom Layer LF-signals w0.2: U100.8@-28.825,-4.65 -28.825,-3.425 R102.2@-28.8,-3.4 ; pad.3@-28.8,-2.35 pad.3@-28.8,-2.275 R102.2@-28.8,-3.4 ; R100.1@-27.475,-3.4 R102.2@-28.8,-3.4
NetR304_1: R304.1 SW301.3 SW301.4 TP301.1 | length 10
  Top Layer LF-signals w0.175: v3(-24.925,-1.5) -24.3,-1.5 -24,-1.8 SW301.4@-24,-2.15 SW301.3@-24,-7.65 R304.1@-24,-9.7
  Bottom Layer LF-signals w0.175: TP301.1@-26,-1.5 v3(-24.925,-1.5)
NetR502_1: R502.1 R505.1 SW500.3 SW500.4 | length 20.6
  Top Layer LF-signals w0.175: v2(-47.675,-28.575) R502.1@-47.675,-29.845 -47.375,-29.545 -39.625,-29.545 -39.435,-29.735 -38.75,-29.05 -35.325,-29.05 -35.325,-35.145 SW500.4@-35.625,-35.445
NetR506_2: R506.2 TP500.1 U501.8 | length 3.4
  Top Layer LF-signals w0.175: TP500.1@-43.925,-36.045 U501.8@-43.925,-32.62
  other v2: -43.925,-35
NetR700_1: R700.1 SW700.3 SW700.4 TP300.1 | length 12.3
  Top Layer LF-signals w0.125: SW700.4@-30.8,-1.525 v3(-30.075,-1.525)
  Top Layer LF-signals w0.2: R700.1@-31.15,-9.85 -31,-9.7 SW700.3@-31,-7.65 SW700.4@-31,-2.15 -30.9,-2.05 -30.9,-1.425 SW700.4@-30.8,-1.525
  Bottom Layer LF-signals w0.175: TP300.1@-32.975,-1.525 v3(-30.075,-1.525)
PA00_XIN32: C302.1 U300.1 XC300.2 | length 8.3
  Top Layer LF-signals w0.2: XC300.2@-40.475,-50.375 C302.1@-38.775,-50.375 -38,-50.375 -37.725,-50.65 -37.725,-53.775 -37.25,-54.25 U300.1@-35.575,-54.25
PA01_XOUT32: C303.1 J302.2 U300.2 | length 4.8
  Top Layer LF-signals w0.2: J302.2@-40.225,-54.375 C303.1@-38.775,-54.375 -37.825,-54.375 -37.45,-54.75 U300.2@-35.575,-54.75
PA02_SPI_SS: J202.15@-36.35,-93.03 J700.1@-55.925,-42 U300.3 | length 100.4
  Top Layer LF-signals w0.175: -48.7,-55.25 -54.45,-61 -54.45,-67.5 -59.005,-72.055 -59.005,-86.895 -58.8,-87.1 -56.525,-87.1 -54.3,-84.875 -34.4,-84.875 -33.7,-85.575 -33.7,-90.38 J202.15@-36.35,-93.03
  Top Layer LF-signals w0.2: J700.1@-55.925,-42 -49.175,-48.75 -49.175,-54.775 -48.7,-55.25 U300.3@-35.575,-55.25
PA03_ADC_DAC_VREF: C704.1 J701.4@-45.7,-56.96 J801.8@-9.518,-46.256 U300.4 | length 40.7
  Top Layer LF-signals w0.175: U300.4@-35.575,-55.75 -29.075,-55.75 -28.025,-54.7 -26.175,-54.7 -23.925,-52.45 v1@-21.775,-52.45 ; v1(-13.275,-46.225) -9.549,-46.225 J801.8@-9.518,-46.256
  Top Layer LF-signals w0.2: J701.4@-45.7,-56.96 -44.49,-55.75 U300.4@-35.575,-55.75
  Bottom Layer LF-signals w0.175: v1(-21.775,-52.475) -20.875,-52.475 -14.625,-46.225 v1(-13.275,-46.225)